# Altium PCB PCB.PcbDoc (part 2 of 4) (continued)
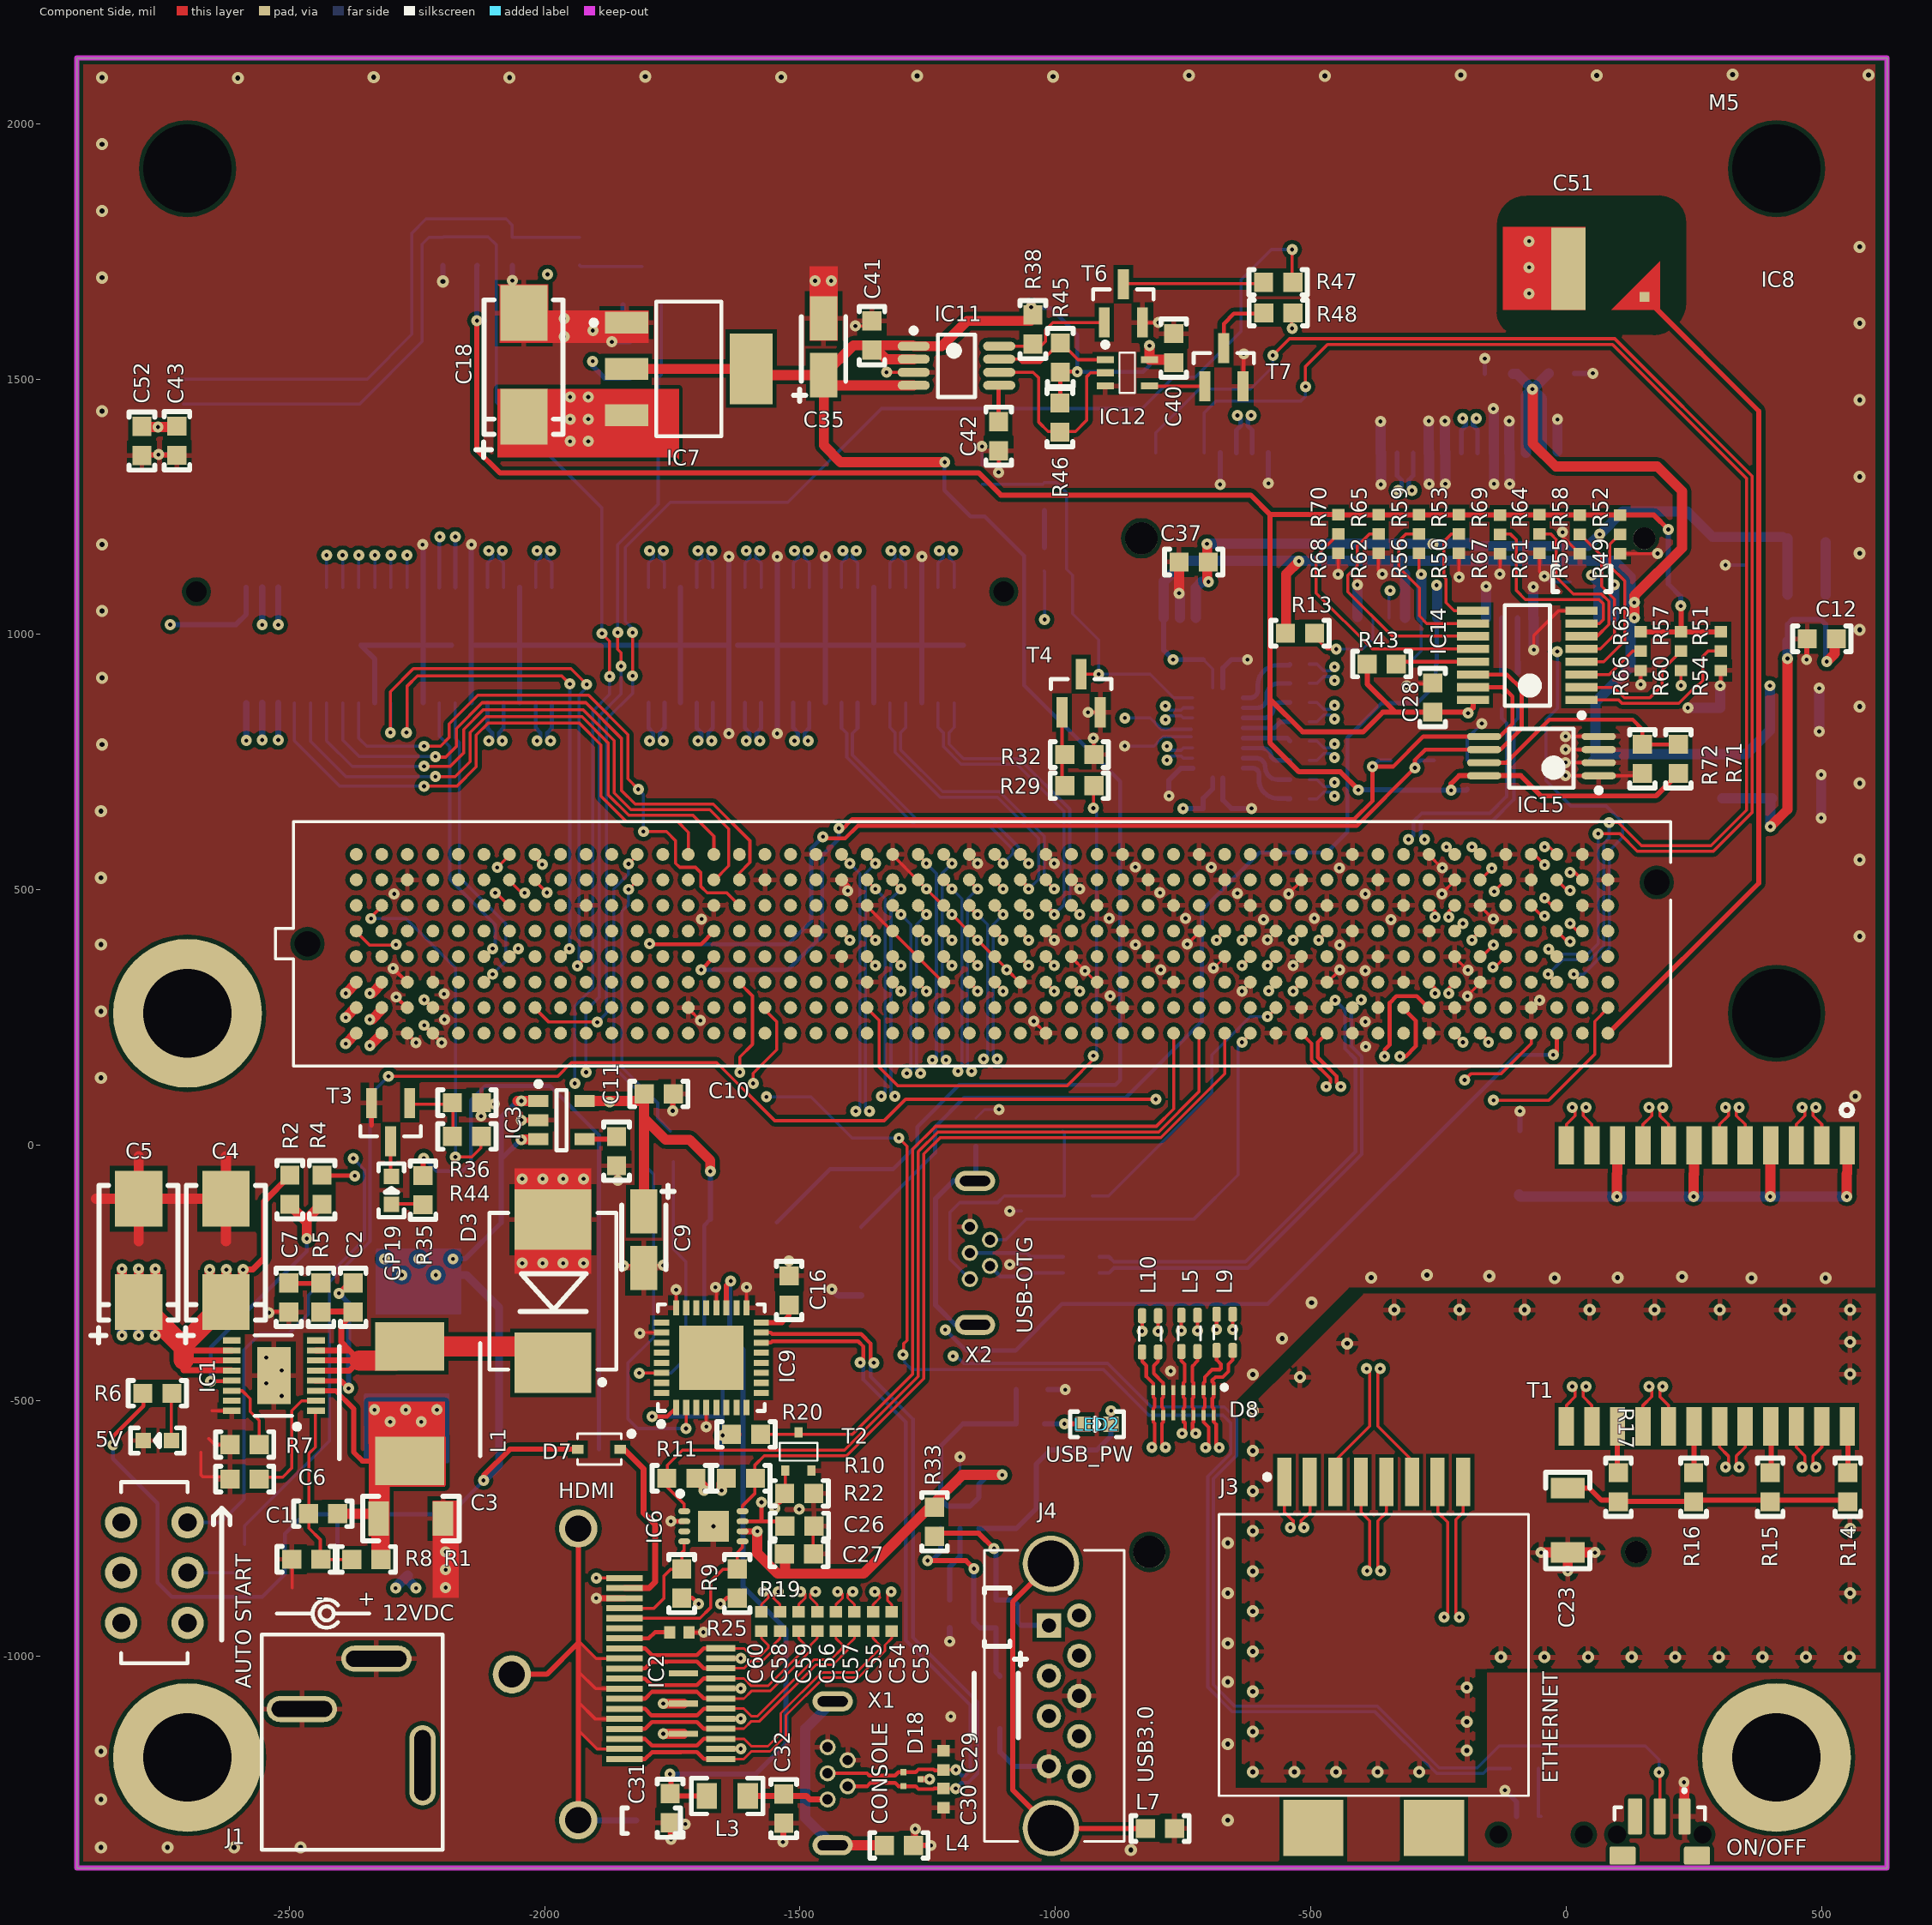
[diagram p0: Component Side view]
## Nets (pads, with @x,y where several pads share a name; then routed paths per layer and width w, separated by ;. In a path a pad name is that pad's centre, name@x,y a point inside that pad or via, vN(x,y) a via of type N, cw(c..) or ccw(c..) an arc to the next point about the centre after c; other vN are vias at no path point) (continued)
  Solder Side w6: v1(-1295.18,1163.87) -1303,1156.05 -1303,1150.15 -1292.76,1139.9 J2.8@-1292.76,1091.89
CSI1_D0_N: IC8.C28 J2.4 | length 1081
  Component Side w6: IC8.C28@-1018.66,317.91 v1(-1002.5,301.76)
  Fast Signals w6: v1(-1227.34,1163.87) -1218.87,1155.4 -1218.87,1045.41 -983,809.54 -983,308.87 -990.12,301.76 v1(-1002.5,301.76)
  Solder Side w6: J2.4@-1229.76,1091.89 -1229.76,1139.9 -1219.52,1150.15 -1219.52,1156.05 v1(-1227.34,1163.87)
CSI1_D0_P: IC8.C29 J2.2 | length 1094.1
  Component Side w6: IC8.C29@-968.66,317.91 v1(-952.5,301.76)
  Fast Signals w6: v1(-1200.69,1163.87) -1207.87,1156.69 -1207.87,1139.33 ccw(c-1201.87,1139.33) -1201.87,1133.33 cw(c-1201.87,1127.33) -1195.87,1127.33 cw(c-1201.87,1127.33) -1201.87,1121.33 ccw(c-1201.87,1115.33) -1207.87,1115.33 -1207.87,1049.97 -972,814.1 -972,308.87 -964.89,301.76 v1(-952.5,301.76)
  Solder Side w6: v1(-1200.69,1163.87) -1208.52,1156.05 -1208.52,1150.15 -1198.27,1139.9 J2.2@-1198.27,1091.89
CSI1_D1_N: IC8.E26 J2.16 | length 1114
  Component Side w6: IC8.E26@-1118.66,419.49 v1@-1102.5,403.33
  Fast Signals w6: v1(-1416.32,1163.87) -1408.49,1156.05 -1408.49,1138.32 -1408.49,1088.03 -1083,762.54 -1083,747.76 ccw(c-1081,730.87) -1081,713.87 -1074,713.87 cw(c-1074,707.87) -1068,707.87 cw(c-1074,707.87) -1074,701.87 -1081,701.87 ccw(c-1081,684.87) -1081,667.87 -1074,667.87 cw(c-1074,661.87) -1068,661.87 cw(c-1074,661.87) -1074,655.87 -1081,655.87 ccw(c-1081,638.87) -1083,621.99 -1083,408.87 -1090.12,401.76 v1(-1102.5,401.76)
  Solder Side w6: J2.16@-1418.74,1091.89 -1418.74,1139.9 -1408.49,1150.15 -1408.49,1156.05 v1(-1416.32,1163.87)
CSI1_D1_P: IC8.E27 J2.14 | length 1118.6
  Component Side w6: IC8.E27@-1068.66,419.49 -1068.66,417.91 v1(-1052.5,401.76) v1@-1052.5,403.33
  Fast Signals w6: v1(-1389.67,1163.87) -1397.49,1156.05 -1397.49,1138.32 -1397.49,1092.59 -1072,767.1 -1072,745.87 cw(c-1081,745.87) -1081,736.87 ccw(c-1081,730.87) -1081,724.87 -1074,724.87 cw(c-1074,707.87) -1057,707.87 cw(c-1074,707.87) -1074,690.87 -1081,690.87 ccw(c-1081,684.87) -1081,678.87 -1074,678.87 cw(c-1074,661.87) -1057,661.87 cw(c-1074,661.87) -1074,644.87 -1081,644.87 ccw(c-1081,638.87) -1081,632.87 cw(c-1081,623.87) -1072,623.87 -1072,408.87 -1064.89,401.76 v1(-1052.5,401.76)
  Solder Side w6: v1(-1389.67,1163.87) -1397.49,1156.05 -1397.49,1150.15 -1387.24,1139.9 J2.14@-1387.24,1091.89
CSI2_CLK_N: IC8.G24 J2.27 | length 1381.7
  Component Side w5: IC8.G24@-1219.54,518.8 v1(-1202.5,501.76)
  Fast Signals w6: v1(-1605.3,791.87) -1605.3,780.78 -1610.78,775.29 -1610.78,691.39 -1520.55,601.16 -1520.55,422.65 -1329.78,231.87 -1214.78,231.87 -1183,200.1 -1183,152.7 v1(-1190.83,144.87)
  Solder Side w5: v1(-1190.83,144.87) -1185.5,144.87 v1@-1182.5,147.87
  Solder Side w5.98: v1(-1202.5,501.76) -1183,482.25 -1183,152.71 v1(-1190.83,144.87)
  Solder Side w8: J2.27@-1607.72,866.3 -1607.72,816.9 -1598.47,807.65 -1598.47,795.87 -1602.47,791.87 v1(-1605.3,791.87)
CSI2_CLK_P: IC8.G25 J2.25 | length 1388.2
  Component Side w5: IC8.G25@-1169.54,518.8 v1(-1152.5,501.76)
  Fast Signals w6: v1(-1578.64,791.87) -1599.78,770.74 -1599.78,695.94 -1509.55,605.71 -1509.55,427.2 -1325.22,242.87 -1210.22,242.87 -1201,233.65 -1172,204.65 -1172,152.7 v1(-1164.18,144.87)
  Solder Side w5: v1@-1172.5,147.87 -1169.5,144.87 v1(-1164.18,144.87)
  Solder Side w5.98: v1(-1164.18,144.87) -1172.01,152.71 -1172.01,482.25 v1(-1152.5,501.76)
  Solder Side w8: v1(-1578.64,791.87) -1581.47,791.87 -1585.47,795.87 -1585.47,807.65 -1576.22,816.9 J2.25@-1576.22,866.3
CSI2_D0_N: IC8.F25 J2.21 | length 1315.7
  Component Side w5: v1(-1152.5,451.76) v1@-1152.5,453.33
  Component Side w8: IC8.F25@-1168.66,469.49 -1168.66,467.91 v1(-1152.5,451.76)
  Fast Signals w6: v1(-1510.81,791.87) -1502.98,784.05 -1502.98,774.28 -1508.11,769.16 -1534.11,769.16 -1555.55,747.71 -1555.55,672.6 -1490.55,607.6 -1490.55,438.65 -1457.06,405.16 -1311.78,259.87 -1177,259.87 -1133,215.87 -1133,176.7 v1(-1140.83,168.87)
  Solder Side w5: v1(-1140.83,168.87) -1139.5,168.87 v1@-1135.72,172.66
  Solder Side w5.98: v1(-1152.5,451.76) -1133,432.25 -1133,175.38 v1@-1135.72,172.66
  Solder Side w8: J2.21@-1513.23,866.3 -1513.23,816.9 -1503.98,807.65 v1@-1503.98,795.87
CSI2_D0_P: IC8.F26 J2.19 | length 1312.5
  Component Side w5: IC8.F26@-1119.54,468.8 v1(-1102.5,451.76)
  Fast Signals w6: v1(-1484.15,791.87) -1491.98,784.05 -1491.98,769.73 -1503.55,758.16 -1529.55,758.16 -1544.55,743.16 -1544.55,677.16 -1479.55,612.16 -1479.55,443.2 -1446.06,409.71 -1307.22,270.87 -1172.45,270.87 -1122,220.43 -1122,176.7 v1(-1114.18,168.87)
  Solder Side w5.98: v1@-1115.5,168.87 -1122.01,175.38 -1122.01,432.25 v1(-1102.5,451.76)
  Solder Side w8: v1@-1490.98,795.87 -1490.98,807.65 -1481.73,816.9 J2.19@-1481.73,866.3
CSI2_D1_N: IC8.H23 J2.33 | length 1383.9
  Component Side w5: IC8.H23@-1269.54,568.8 v1(-1252.5,551.76)
  Fast Signals w6: v1(-1699.78,791.87) -1691.96,784.05 -1691.96,701.5 -1551.55,561.09 -1551.55,411.65 -1345.78,205.87 -1248,205.87 -1233,190.87 -1233,174.7 v1(-1240.83,166.87)
  Solder Side w5: v1(-1240.83,166.87) -1237.5,166.87 v1@-1235.72,168.66
  Solder Side w5.98: v1(-1252.5,551.76) -1233,532.25 -1233,171.38 v1@-1235.72,168.66
  Solder Side w8: J2.33@-1702.21,866.3 -1702.21,816.9 -1692.96,807.65 -1692.96,795.87 -1696.96,791.87 v1(-1699.78,791.87)
CSI2_D1_P: IC8.H24 J2.31 | length 1372
  Component Side w5: IC8.H24@-1219.54,568.8 v1(-1202.5,551.76)
  Fast Signals w6: v1(-1673.13,791.87) -1680.96,784.05 -1680.96,706.05 -1540.55,565.65 -1540.55,416.2 -1341.22,216.87 -1243.45,216.87 -1222,195.43 -1222,174.7 v1(-1214.18,166.87)
  Solder Side w5.98: v1@-1217.5,166.87 -1222.01,171.38 -1222.01,532.25 v1(-1202.5,551.76)
  Solder Side w8: v1@-1679.96,795.87 -1679.96,807.65 -1670.71,816.9 J2.31@-1670.71,866.3
CSI3_CLK_N: IC8.D24 J2.28 | length 1168.5
  Component Side w6: IC8.D24@-1218.66,369.49 -1218.66,367.91 v1(-1202.5,351.76)
  Fast Signals w6: v1(-1605.3,1163.87) -1597.47,1156.05 -1597.47,1120.87 cw(c-1603.47,1120.87) -1603.47,1114.87 -1608.67,1114.87 ccw(c-1608.67,1108.87) -1614.67,1108.87 ccw(c-1608.67,1108.87) -1608.67,1102.87 -1603.47,1102.87 cw(c-1603.47,1096.87) -1597.47,1096.87 -1597.47,1084.01 -1552.34,1038.87 -1477.34,1038.87 -1183,744.54 -1183,368.8 -1200.04,351.76 v1(-1202.5,351.76)
  Solder Side w6: J2.28@-1607.72,1091.89 -1607.72,1139.9 -1597.47,1150.15 -1597.47,1156.05 v1(-1605.3,1163.87)
CSI3_CLK_P: IC8.D25 J2.26 | length 1144.1
  Component Side w5: IC8.D25@-1169.54,368.8 v1(-1152.5,351.76)
  Fast Signals w6: v1(-1578.64,1163.87) -1586.47,1156.05 -1586.47,1088.56 -1547.78,1049.87 -1472.78,1049.87 -1172,749.1 -1172,368.8 -1154.96,351.76 v1(-1152.5,351.76)
  Solder Side w6: v1(-1578.64,1163.87) -1586.47,1156.05 -1586.47,1150.15 -1576.22,1139.9 J2.26@-1576.22,1091.89
CSI3_D0_N: IC8.C25 J2.22 | length 1177.3
  Component Side w6: IC8.C25@-1168.66,319.49 -1152.5,303.33 v1(-1152.5,301.76)
  Fast Signals w6: v1(-1510.81,1163.87) -1502.98,1156.05 -1502.98,1118.87 cw(c-1508.98,1118.87) -1508.98,1112.87 -1514.18,1112.87 ccw(c-1514.18,1106.87) -1520.18,1106.87 ccw(c-1514.18,1106.87) -1514.18,1100.87 -1508.98,1100.87 cw(c-1508.98,1094.87) -1502.98,1094.87 -1502.98,1084.52 -1491.34,1072.87 -1452.78,1072.87 -1133,753.1 -1133,321.26 v1(-1152.5,301.76)
  Solder Side w6: J2.22@-1513.23,1091.89 -1513.23,1139.9 -1502.98,1150.15 -1502.98,1156.05 v1(-1510.81,1163.87)
CSI3_D0_P: IC8.C26 J2.20 | length 1152.8
  Component Side w5: IC8.C26@-1119.54,318.8 v1(-1102.5,301.76)
  Fast Signals w6: v1(-1484.15,1163.87) -1491.98,1156.05 -1491.98,1089.08 -1486.78,1083.87 -1448.22,1083.87 -1122,757.65 -1122,321.26 v1(-1102.5,301.76)
  Solder Side w6: v1(-1484.15,1163.87) -1491.98,1156.05 -1491.98,1150.15 -1481.73,1139.9 J2.20@-1481.73,1091.89
CSI3_D1_N: IC8.E23 J2.34 | length 1145
  Component Side w5: IC8.E23@-1269.54,418.8 v1(-1252.5,401.76)
  Fast Signals w6: v1(-1699.78,1163.87) -1691.96,1156.05 -1691.96,1076.05 -1620.78,1004.87 -1487.78,1004.87 -1233,750.1 -1233,421.26 v1(-1252.5,401.76)
  Solder Side w6: J2.34@-1702.21,1091.89 -1702.21,1139.9 -1691.96,1150.15 -1691.96,1156.05 v1(-1699.78,1163.87)
CSI3_D1_P: IC8.E24 J2.32 | length 1145
  Component Side w5: IC8.E24@-1219.54,418.8 v1(-1202.5,401.76)
  Fast Signals w6: v1(-1673.13,1163.87) -1680.96,1156.05 -1680.96,1080.61 -1616.22,1015.87 -1483.22,1015.87 -1482,1014.65 -1222,754.65 -1222,421.26 v1(-1202.5,401.76)
  Solder Side w6: v1(-1673.13,1163.87) -1680.96,1156.05 -1680.96,1150.15 -1670.71,1139.9 J2.32@-1670.71,1091.89
CSI4_CLK_N: IC8.G21 J2.43 | length 1715.1
  Component Side w5: IC8.G21@-1369.54,518.8 v1(-1352.5,501.76)
  Fast Signals w6: v1(-2014.86,791.87) -2007.04,784.05 -2007.04,726.57 -1934.34,653.87 -1905.78,653.87 cw(c-1905.78,647.87) -1899.78,647.87 -1899.78,645.87 ccw(c-1882.78,645.87) -1865.78,645.87 -1865.78,672.87 cw(c-1859.78,672.87) -1853.78,672.87 -1853.78,645.87 ccw(c-1836.78,645.87) -1819.78,645.87 -1819.78,647.87 cw(c-1813.78,647.87) -1813.78,653.87 -1802.34,653.87 -1612.55,464.09 -1612.55,382.09 -1377.34,146.87 -1359.34,146.87 -1333,120.54 -1333,103.7 v1(-1340.83,95.87) v1@-1333,95.87
  Solder Side w5: v1(-1340.83,95.87) v1@-1335.72,95.87
  Solder Side w5.98: v1(-1352.5,501.76) -1333,482.25 -1333,98.38 v1@-1335.72,95.66
  Solder Side w8: J2.43@-2017.28,866.3 -2017.28,816.9 -2008.04,807.65 -2008.04,795.87 -2012.04,791.87 v1(-2014.86,791.87)
CSI4_CLK_P: IC8.G22 J2.41 | length 1713.7
  Component Side w5: IC8.G22@-1319.54,518.8 v1(-1302.5,501.76)
  Fast Signals w6: v1(-1988.21,791.87) -1996.04,784.05 -1996.04,731.13 -1929.78,664.87 -1905.78,664.87 cw(c-1905.78,647.87) -1888.78,647.87 -1888.78,645.87 ccw(c-1882.78,645.87) -1876.78,645.87 -1876.78,672.87 cw(c-1859.78,672.87) -1842.78,672.87 -1842.78,645.87 ccw(c-1836.78,645.87) -1830.78,645.87 -1830.78,647.87 cw(c-1813.78,647.87) -1813.78,664.87 -1797.78,664.87 -1601.55,468.65 -1601.55,386.65 -1372.78,157.87 -1354.78,157.87 -1322,125.1 -1322,103.7 v1(-1314.18,95.87)
  Solder Side w5: v1@-1322.5,98.87 -1319.5,95.87 v1(-1314.18,95.87)
  Solder Side w5.98: v1(-1314.18,95.87) -1322.01,103.71 -1322.01,482.25 v1(-1302.5,501.76)
  Solder Side w8: v1(-1988.21,791.87) -1991.04,791.87 -1995.04,795.87 -1995.04,807.65 -1985.79,816.9 J2.41@-1985.79,866.3
CSI4_D0_N: IC8.F22 J2.39 | length 1704.6
  Component Side w5: IC8.F22@-1319.54,468.8 v1(-1302.5,451.76)
  Fast Signals w6: v1(-1794.27,791.87) -1786.45,784.05 -1812.78,757.71 -1812.78,741.87 -1775.24,704.33 ccw(c-1762.5,717.08) -1749.75,704.33 ; -1749.06,705.03 cw(c-1744.82,700.78) -1740.59,705.04 cw(c-1744.82,700.78) -1738.82,700.78 cw(c-1744.82,700.78) -1740.58,696.54 -1758.95,678.17 ccw(c-1746.2,665.43) -1733.46,652.69 -1715.09,671.06 cw(c-1710.85,666.81) -1706.61,671.06 cw(c-1710.85,666.81) -1704.85,666.81 cw(c-1710.85,666.81) -1706.61,662.57 -1724.98,644.2 ccw(c-1712.23,631.46) -1699.49,618.71 -1681.12,637.08 cw(c-1676.88,632.84) -1672.65,637.1 cw(c-1676.88,632.84) -1670.88,632.84 cw(c-1676.88,632.84) -1672.63,628.6 -1691,610.23 ccw(c-1678.26,597.49) -1665.52,584.74 -1647.15,603.11 cw(c-1642.91,598.87) -1638.66,603.11 cw(c-1642.91,598.87) -1636.91,598.87 cw(c-1642.91,598.87) -1638.66,594.63 -1657.03,576.26 ccw(c-1644.29,563.52) -1631.55,550.77 -1613.18,569.14 cw(c-1608.94,564.9) -1604.71,569.16 cw(c-1608.94,564.9) -1602.94,564.9 cw(c-1608.94,564.9) -1604.69,560.66 ; -1605.39,559.97 ccw(c-1592.64,547.22) -1605.39,534.48 -1583.78,512.87 -1583.78,399.87 -1363.78,179.87 -1296,179.87 -1283,166.87 -1283,148.7 v1(-1290.83,140.87)
  Solder Side w5: v1(-1290.83,140.87) v1@-1285.72,140.87
  Solder Side w5.98: v1(-1302.5,451.76) -1283,432.25 -1283,143.38 v1@-1285.72,140.66
  Solder Side w8: J2.39@-1796.69,866.3 -1796.69,816.9 -1787.45,807.65 -1787.45,795.87 -1791.45,791.87 v1(-1794.27,791.87)
CSI4_D0_P: IC8.F23 J2.37 | length 1708.9
  Component Side w5: IC8.F23@-1269.54,468.8 v1(-1252.5,451.76)
  Fast Signals w6: v1(-1767.62,791.87) -1775.45,784.05 -1775.45,779.49 -1799.28,755.66 -1799.28,745.37 -1766.74,712.83 ccw(c-1762.5,717.08) -1758.25,712.83 ; -1757.56,713.53 cw(c-1744.82,700.78) -1726.8,700.78 cw(c-1744.82,700.78) -1732.08,688.04 -1750.45,669.67 ccw(c-1746.2,665.43) -1750.46,661.2 ccw(c-1746.2,665.43) -1741.96,661.19 -1723.59,679.56 cw(c-1710.85,666.81) -1692.83,666.81 cw(c-1710.85,666.81) -1698.11,654.07 -1716.48,635.7 ccw(c-1712.23,631.46) -1716.49,627.23 ; -1716.48,627.21 ccw(c-1712.23,631.46) -1707.99,627.21 -1689.62,645.58 cw(c-1676.88,632.84) -1658.86,632.84 cw(c-1676.88,632.84) -1664.13,620.1 -1682.5,601.73 ccw(c-1678.26,597.49) -1682.52,593.26 ccw(c-1678.26,597.49) -1674.02,593.24 -1655.65,611.61 cw(c-1642.91,598.87) -1624.89,598.87 cw(c-1642.91,598.87) -1630.16,586.13 -1648.53,567.76 ccw(c-1644.29,563.52) -1648.55,559.29 ccw(c-1644.29,563.52) -1640.05,559.27 -1621.68,577.64 cw(c-1608.94,564.9) -1590.92,564.9 cw(c-1608.94,564.9) -1596.19,552.16 ; -1596.89,551.47 ccw(c-1592.64,547.22) -1596.89,542.98 -1571.78,517.87 -1571.78,403.43 -1359.22,190.87 -1291.45,190.87 -1272,171.43 -1272,148.7 v1(-1264.18,140.87)
  Solder Side w5: v1@-1272.5,143.87 -1269.5,140.87 v1(-1264.18,140.87)
  Solder Side w5.98: v1(-1264.18,140.87) -1272.01,148.71 -1272.01,432.25 v1(-1252.5,451.76)
  Solder Side w8: v1(-1767.62,791.87) -1770.45,791.87 -1774.45,795.87 -1774.45,807.65 -1765.2,816.9 J2.37@-1765.2,866.3
CSI4_D1_N: IC8.H20 J2.49 | length 1714.5
  Component Side w5: IC8.H20@-1418.66,569.49 -1418.66,567.91 v1(-1402.5,551.76)
  Fast Signals w6: v1(-2109.35,791.87) -2101.52,784.05 -2101.52,757.32 -1921.19,576.98 -1788.44,576.98 -1667.55,456.09 -1667.55,394.65 -1383,110.1 -1383,74.7 v1(-1390.83,66.87)
  Solder Side w5: v1(-1390.83,66.87) v1@-1383.5,66.87
  Solder Side w5.98: v1(-1402.5,551.76) -1383,532.25 -1383,67.38 v1@-1383.5,66.87
  Solder Side w8: J2.49@-2111.77,866.3 -2111.77,816.9 -2102.52,807.65 -2102.52,795.87 -2106.52,791.87 v1(-2109.35,791.87)
CSI4_D1_P: IC8.H21 J2.47 | length 1705.4
  Component Side w5: IC8.H21@-1368.66,567.91 v1(-1352.5,551.76)
  Fast Signals w6: v1(-2082.7,791.87) -2090.52,784.05 -2090.52,761.87 -1916.63,587.98 -1783.89,587.98 -1656.55,460.65 -1656.55,399.2 -1372,114.65 -1372,74.7 v1(-1364.18,66.87)
  Solder Side w5: v1@-1369.29,66.87 v1(-1364.18,66.87)
  Solder Side w5.98: v1@-1369.29,64.66 -1372.01,67.38 -1372.01,532.25 v1(-1352.5,551.76)
  Solder Side w8: v1@-2089.52,795.87 -2089.52,807.65 -2080.28,816.9 J2.47@-2080.28,866.3
CSI5_CLK_N: IC8.D21 J2.44 | length 1377.1
  Component Side w5: IC8.D21@-1369.54,368.8 v1(-1352.5,351.76)
  Fast Signals w6: v1(-2014.86,1163.87) -2007.04,1156.05 -2007.04,1124.32 -1963.59,1080.87 -1827.78,1080.87 -1681.78,934.87 -1525.78,934.87 -1333,742.1 -1333,371.26 v1(-1352.5,351.76)
  Solder Side w6: J2.44@-2017.28,1091.89 -2017.28,1139.9 -2007.04,1150.15 -2007.04,1156.05 v1(-2014.86,1163.87)
CSI5_CLK_P: IC8.D22 J2.42 | length 1377.1
  Component Side w5: IC8.D22@-1319.54,368.8 v1(-1302.5,351.76)
  Fast Signals w6: v1(-1988.21,1163.87) -1996.04,1156.05 -1996.04,1128.87 -1959.04,1091.87 -1823.22,1091.87 -1677.22,945.87 -1521.22,945.87 -1513,937.65 -1322,746.65 -1322,371.26 v1(-1302.5,351.76)
  Solder Side w6: v1(-1988.21,1163.87) -1996.04,1156.05 -1996.04,1150.15 -1985.79,1139.9 J2.42@-1985.79,1091.89
CSI5_D0_N: IC8.C22 J2.40 | length 1388.8
  Component Side w5: IC8.C22@-1319.54,318.8 v1(-1302.5,301.76)
  Fast Signals w6: v1(-1794.27,1163.87) -1786.45,1156.05 -1786.45,1090.32 -1663,966.87 -1509.34,966.87 -1283,740.54 -1283,684.87 ccw(c-1269,684.87) -1269,670.87 cw(c-1269,664.87) -1263,664.87 cw(c-1269,664.87) -1269,658.87 -1286,658.87 ccw(c-1286,641.87) -1286,624.87 -1269,624.87 cw(c-1269,618.87) -1263,618.87 cw(c-1269,618.87) -1269,612.87 -1286,612.87 ccw(c-1286,595.87) -1286,578.87 cw(c-1286,575.87) -1283,575.87 -1283,321.26 v1(-1302.5,301.76)
  Solder Side w6: J2.40@-1796.69,1091.89 -1796.69,1139.9 -1786.45,1150.15 -1786.45,1156.05 v1(-1794.27,1163.87)
CSI5_D0_P: IC8.C23 J2.38 | length 1388.8
  Component Side w5: IC8.C23@-1269.54,318.8 v1(-1252.5,301.76)
  Fast Signals w6: v1(-1767.62,1163.87) -1775.45,1156.05 -1775.45,1094.87 -1658.45,977.87 -1504.78,977.87 -1272,745.1 -1272,684.87 ccw(c-1269,684.87) -1269,681.87 cw(c-1269,664.87) -1252,664.87 cw(c-1269,664.87) -1269,647.87 -1286,647.87 ccw(c-1286,641.87) -1286,635.87 -1269,635.87 cw(c-1269,618.87) -1252,618.87 cw(c-1269,618.87) -1269,601.87 -1286,601.87 ccw(c-1286,595.87) -1286,589.87 cw(c-1286,575.87) -1272,575.87 -1272,321.26 v1(-1252.5,301.76)
  Solder Side w6: v1(-1767.62,1163.87) -1775.45,1156.05 -1775.45,1150.15 -1765.2,1139.9 J2.38@-1765.2,1091.89
CSI5_D1_N: IC8.E20 J2.50 | length 1399.1
  Component Side w5: IC8.E20@-1419.54,418.8 v1(-1402.5,401.76)
  Fast Signals w6: v1(-2109.35,1163.87) -2104.78,1159.3 -2104.78,1109.32 -2020.34,1024.87 -2019.34,1023.87 -1815.78,1023.87 -1685.78,893.87 -1530.78,893.87 -1365.55,728.65 -1365.55,595.16 -1383,577.7 -1383,421.26 v1(-1402.5,401.76)
  Solder Side w6: J2.50@-2111.77,1091.89 -2111.77,1139.9 -2101.52,1150.15 -2101.52,1156.05 v1(-2109.35,1163.87)
CSI5_D1_P: IC8.E21 J2.48 | length 1401.8
  Component Side w5: IC8.E21@-1369.54,418.8 v1(-1352.5,401.76)
  Fast Signals w6: v1(-2082.7,1163.87) -2093.78,1152.79 -2093.78,1113.87 -2014.78,1034.87 -1811.22,1034.87 -1681.22,904.87 -1526.22,904.87 -1523,901.65 -1360.55,739.2 -1354.55,733.2 -1354.55,590.6 -1372,573.15 -1372,421.26 v1(-1352.5,401.76)
  Solder Side w6: v1(-2082.7,1163.87) -2090.52,1156.05 -2090.52,1150.15 -2080.28,1139.9 J2.48@-2080.28,1091.89
DBG_UART_RXD_1V8: IC8.G12 R40.2 | length 541.5
  Component Side w5: v1(-1835.7,500.87) IC8.G12@-1818.66,517.91
  Solder Side w6: -1848.36,152.3 -1848.36,152.37 ; v1(-1835.7,500.87) -1835.7,470.95 -1848.36,458.3 -1848.36,152.37 ; R40.2@-1753.55,28.05 -1778.55,53.05 -1778.55,82.57 -1848.36,152.37
DBG_UART_TXD_1V8: IC8.H12 R41.2 | length 583.4
  Component Side w5: v1(-1835.7,550.87) IC8.H12@-1818.66,567.91
  Solder Side w6: v1(-1835.7,550.87) -1835.7,530.95 -1864.78,501.87 -1864.78,153.27 -1852.88,141.37 -1852.8,141.37 -1804.33,92.9 R41.2@-1804.33,28.74
ETH_GND: C23.1 | length 141.7
  Component Side w20: v1(-49.41,-797.24) C23.1@2.76,-797.24 ; v1(2.76,-833.54) C23.1@2.76,-797.24 ; v1(56.05,-797.24) C23.1@2.76,-797.24
  other v2: -613.78,-1226.44 -532.28,-1226.44 -450.78,-1226.44 -369.28,-1226.44 -287.78,-1226.44 -194.78,-1184.61 -613.78,-1147.9 -194.78,-1128.61 -613.78,-1069.36 -194.78,-1061.61 -128.22,-1002.02 -42.89,-1002.02 42.45,-1002.02 127.78,-1002.02 213.11,-1002.02 298.45,-1002.02 383.78,-1002.02 469.11,-1002.02 554.45,-1002.02 -613.78,-990.82 -613.78,-912.28 555.22,-876.57 -613.78,-833.74 -613.78,-755.2 555.22,-751.13 -613.78,-676.66 -613.78,-598.13 -613.78,-519.59 -521.45,-453.77 555.22,-448.13 -429.11,-387.95 555.22,-385.13 -336.78,-322.13 -209.35,-322.13 -81.92,-322.13 45.51,-322.13 172.93,-322.13 300.36,-322.13 427.79,-322.13 555.22,-322.13
FAN_PWM: IC8.C16 R3.1 R23.2 T5.1 | length 2067.3
  Component Side w6: v1(-1856.78,1003.87) -1856.78,970.87 -1850.28,964.37 v1(-1850.28,937.87) ; IC8.C16@-1618.66,317.91 -1593.07,292.32 -1593.07,197.64 -1617.78,172.93 v1@-1617.78,143.87
  Fast Signals w6: v1(-1918.78,142.87) v1@-1618.78,142.87 ; v1@-1858.78,1002.87 v1@-1858.78,1003.87 ; v1(-1617.78,142.87) v1@-1618.78,142.87 ; v1@-1617.78,143.87 v1@-1618.78,142.87
  Solder Side w6: v1(-1918.78,142.87) -1918.78,264.06 -1892.78,290.06 -1892.78,840.87 -1850.28,883.37 v1(-1850.28,937.87) ; v1(-1856.78,1003.87) -1856.78,1175.87 -1777.76,1254.9 -1777.76,1501.97 -1771.85,1507.87 T5.1@-1771.85,1645.67
FAN_TACH: C45.2 IC8.B17 J6.3 R34.1 | length 3152
  Component Side w6: v1(-1887.78,1001.87) -1872.78,986.87 v1(-1872.78,917.87) ; v1(-1591.65,121.01) -1591.65,141.06 -1545.47,187.24 -1545.47,242.13 -1568.66,265.31 IC8.B17@-1568.66,267.91
  Fast Signals w6: v1(-1940.78,121.01) v1(-1591.65,121.01)
  Solder Side w6: J6.3@-2707.52,1450.66 -2362.23,1450.66 -2239.55,1573.34 -2239.55,1764.06 -2226.17,1777.44 C45.2@-2199.02,1777.44 ; C45.2@-2198.03,1778.43 -2110.33,1778.43 -2094.78,1762.87 -2094.78,1454.39 -1887.78,1247.39 v1(-1887.78,1001.87) ; v1(-1940.78,121.01) -1940.78,272.87 -1905.83,307.83 -1905.83,849.53 -1872.78,882.58 v1(-1872.78,917.87)
FLAG_1: IC11.8 R38.1 T6.1 | length 239.7
  Component Side w5.91: IC11.8@-1110.23,1564.34 -1050.39,1564.34 -1048.22,1562.17 -1031.22,1562.17 -1019.55,1573.84
  Component Side w6: -1019.55,1573.84 -1019.55,1596.16 -1005.11,1610.6 T6.1@-904.52,1610.6
FLAG_2: IC11.7 IC12.1 R45.1 | length 231.7
  Component Side w6: IC11.7@-1110.23,1538.75 -1071.44,1538.75 -1065.23,1532.53 -1029.96,1532.53 -1001.44,1561.05 -978.7,1561.05 -955.41,1537.76 IC12.1@-902.55,1537.76
FLAG_3: IC11.6 IC12.2 R46.1 | length 404.1
  Component Side w6: IC11.6@-1110.23,1513.16 -1043.55,1513.16 -1032.55,1502.16 -1032.55,1415.37 -1014.58,1397.4 -960.84,1397.4 -938.55,1419.69 -938.55,1505.16 -931.54,1512.17 IC12.2@-902.55,1512.17
FORCE_RECOV: IC8.E1 R28.2 | length 3653.2
  Component Side w6: IC8.E1@-2368.66,417.91 -2342.48,391.73 -2291.92,391.73 v1(-2290.78,392.87) ; v3(-1306.55,14.16) -1290.47,-1.92 -1290.47,-381.76 -1297.55,-388.84 -1297.55,-409.84 v3(-1298.55,-409.84)
  Fast Signals w6: v1(-2290.78,392.87) -2179.78,392.87 -2162.78,375.87 -2162.78,274.87 -2052.78,164.87 -1596.55,164.87 -1565.78,134.1 v1(-1565.78,94.87)
  Solder Side w6: v1(-1565.78,94.87) -1478.78,94.87 -1398.06,14.16 v3(-1306.55,14.16) ; v3(-1298.55,-409.84) -1295.55,-412.84 -1295.55,-424.84 -1281.63,-438.76 -906.63,-438.76 -816.94,-528.45 -671.94,-528.45 -656.55,-543.84 -656.55,-602.9 -701.78,-648.13 -701.78,-1060.62 -653.3,-1109.1 -374.4,-1109.1 -253.74,-1229.76 -162.75,-1229.76 -153.01,-1220.02 R28.2@-109.78,-1220.02
GBE_LED0: IC8.E47
GBE_LED1: IC8.F50
GBE_MDI0_N: IC8.E49 T1.12 | length 1037.7
  Component Side w5.91: T1.12@0,0 0,40.9 17.13,58.02 v1@17.13,69.68 ; v1@8.22,432.87 21.61,419.49 IC8.E49@31.34,419.49
  Fast Signals w5.91: v1(7.45,434.16) 17.22,424.39 37.86,424.39 63.2,399.05 63.2,334.75 cw(c58.08,312.5) 80.91,312.5 80.91,305.02 cw(c58.08,305.02) 58.08,282.18 52.57,282.18 ccw(c52.57,275.09) 45.48,275.09 45.48,267.61 ccw(c52.57,267.61) 52.57,260.53 cw(c52.57,249.9) 63.2,249.9 63.2,186.63 -35.55,87.89 -35.55,-123.84 -26.55,-132.84 2.45,-132.84 17.13,-118.17 17.13,68.67 v1(11.67,74.13)
GBE_MDI0_P: IC8.E48 T1.11 | length 1075.3
  Component Side w5.91: IC8.E48@-18.66,419.49 1.95,398.87 v1(7.45,398.87) ; 32.87,61.92 32.87,58.02 50,40.9 T1.11@50,0 ; 32.87,63.16 32.87,68.67 v1(38.33,74.13)
  Fast Signals w5.91: v1(7.45,398.87) 17.22,408.64 31.34,408.64 47.45,392.53 47.45,330.21 ccw(c58.08,330.21) 58.08,319.58 cw(c58.08,312.5) 65.17,312.5 65.17,305.02 cw(c58.08,305.02) 58.08,297.93 52.57,297.93 ccw(c52.57,275.09) 29.73,275.09 29.73,267.61 ccw(c52.57,267.61) 47.45,245.36 47.45,193.16 -51.3,94.41 -51.3,-130.37 -33.07,-148.59 8.97,-148.59 32.87,-124.69 32.87,68.67 v1(38.33,74.13)
GBE_MDI1_N: IC8.F48 T1.9 | length 1046.2
  Component Side w5.91: v1@-41.78,482.87 -28.39,469.49 IC8.F48@-18.66,469.49 ; T1.9@150,0 150,40.9 167.13,58.02 167.13,68.67 v1(161.67,74.13)
  Fast Signals w5.91: v1(-42.55,484.16) -32.78,474.39 40.49,474.39 149.06,365.82 149.06,251.08 cw(c144.14,224.96) 170.71,224.96 cw(c144.14,224.96) 144.14,198.39 138.23,198.39 ccw(c138.23,187.56) 138.23,176.73 cw(c138.23,165.9) 149.06,165.9 149.06,124.5 123.45,98.89 123.45,-65.84 128.45,-70.84 160.45,-70.84 167.13,-64.17 167.13,68.67 v1(161.67,74.13)
  Fast Signals w6: v1@-43.78,482.87 -40.9,479.99 -38.9,479.99 -42.55,483.65 v1(-42.55,484.16)
GBE_MDI1_P: IC8.F47 T1.8 | length 1066.5
  Component Side w5.91: IC8.F47@-68.66,469.49 -48.05,448.87 v1(-42.55,448.87) ; v1(188.33,74.13) 182.87,68.67 182.87,58.02 200,40.9 T1.8@200,0
  Fast Signals w5.91: v1(-42.55,448.87) -32.78,458.64 33.96,458.64 133.31,359.29 133.31,246.61 ccw(c144.14,246.61) 144.14,235.79 cw(c144.14,224.96) 154.97,224.96 cw(c144.14,224.96) 144.14,214.13 138.23,214.13 ccw(c138.23,187.56) 133.31,161.44 133.31,131.02 107.7,105.41 107.7,-72.37 121.93,-86.59 166.97,-86.59 182.87,-70.69 182.87,68.67 v1(188.33,74.13)
GBE_MDI2_N: IC8.G49 T1.6 | length 1039.1
  Component Side w5.91: v1(7.45,534.16) 16.67,534.16 IC8.G49@31.34,519.49 ; T1.6@300,0 300,40.9 317.13,58.02 317.13,68.67 v1(311.67,74.13)
  Component Side w8: v1(311.67,74.13) v1@313.5,74.13
  Fast Signals w5.91: v1(7.45,534.16) 17.22,524.39 69.49,524.39 230.2,363.68 230.2,-44.59 244.45,-58.84 307.13,-58.84 317.13,-48.84 317.13,68.67 v1(311.67,74.13)
GBE_MDI2_P: IC8.G48 T1.5 | length 1068.1
  Component Side w5.91: IC8.G48@-18.66,519.49 1.95,498.87 v1(7.45,498.87) ; v1(338.33,74.13) 332.87,68.67 332.87,58.02 350,40.9 T1.5@350,0
  Fast Signals w5.91: v1(7.45,498.87) 17.22,508.64 62.96,508.64 214.45,357.16 214.45,-51.11 237.93,-74.59 313.65,-74.59 332.87,-55.37 332.87,68.67 v1(338.33,74.13)
GBE_MDI3_N: IC8.H48 T1.3 | length 1047
  Component Side w5.91: v1(-42.55,584.16) -33.33,584.16 IC8.H48@-18.66,569.49 ; T1.3@450,0 450,40.9 467.13,58.02 467.13,68.67 v1(461.67,74.13)
  Fast Signals w5.91: v1(-42.55,584.16) -32.78,574.39 194.22,574.39 293.45,475.16 293.45,182.43 430.97,44.9 462.87,44.9 467.13,49.16 467.13,68.67 v1(461.67,74.13)
GBE_MDI3_P: IC8.H47 T1.2 | length 1077.7
  Component Side w5.91: IC8.H47@-68.66,569.49 -63.17,569.49 v1(-42.55,548.87) ; v1(488.33,74.13) 482.87,68.67 482.87,58.02 500,40.9 T1.2@500,0
  Fast Signals w5.91: v1(-42.55,548.87) -32.78,558.64 187.69,558.64 277.7,468.63 277.7,175.9 424.45,29.16 469.4,29.16 482.87,42.63 482.87,68.67 v1(488.33,74.13)